# Altium PCB 4th_main.PcbDoc (part 1 of 3) (continued)
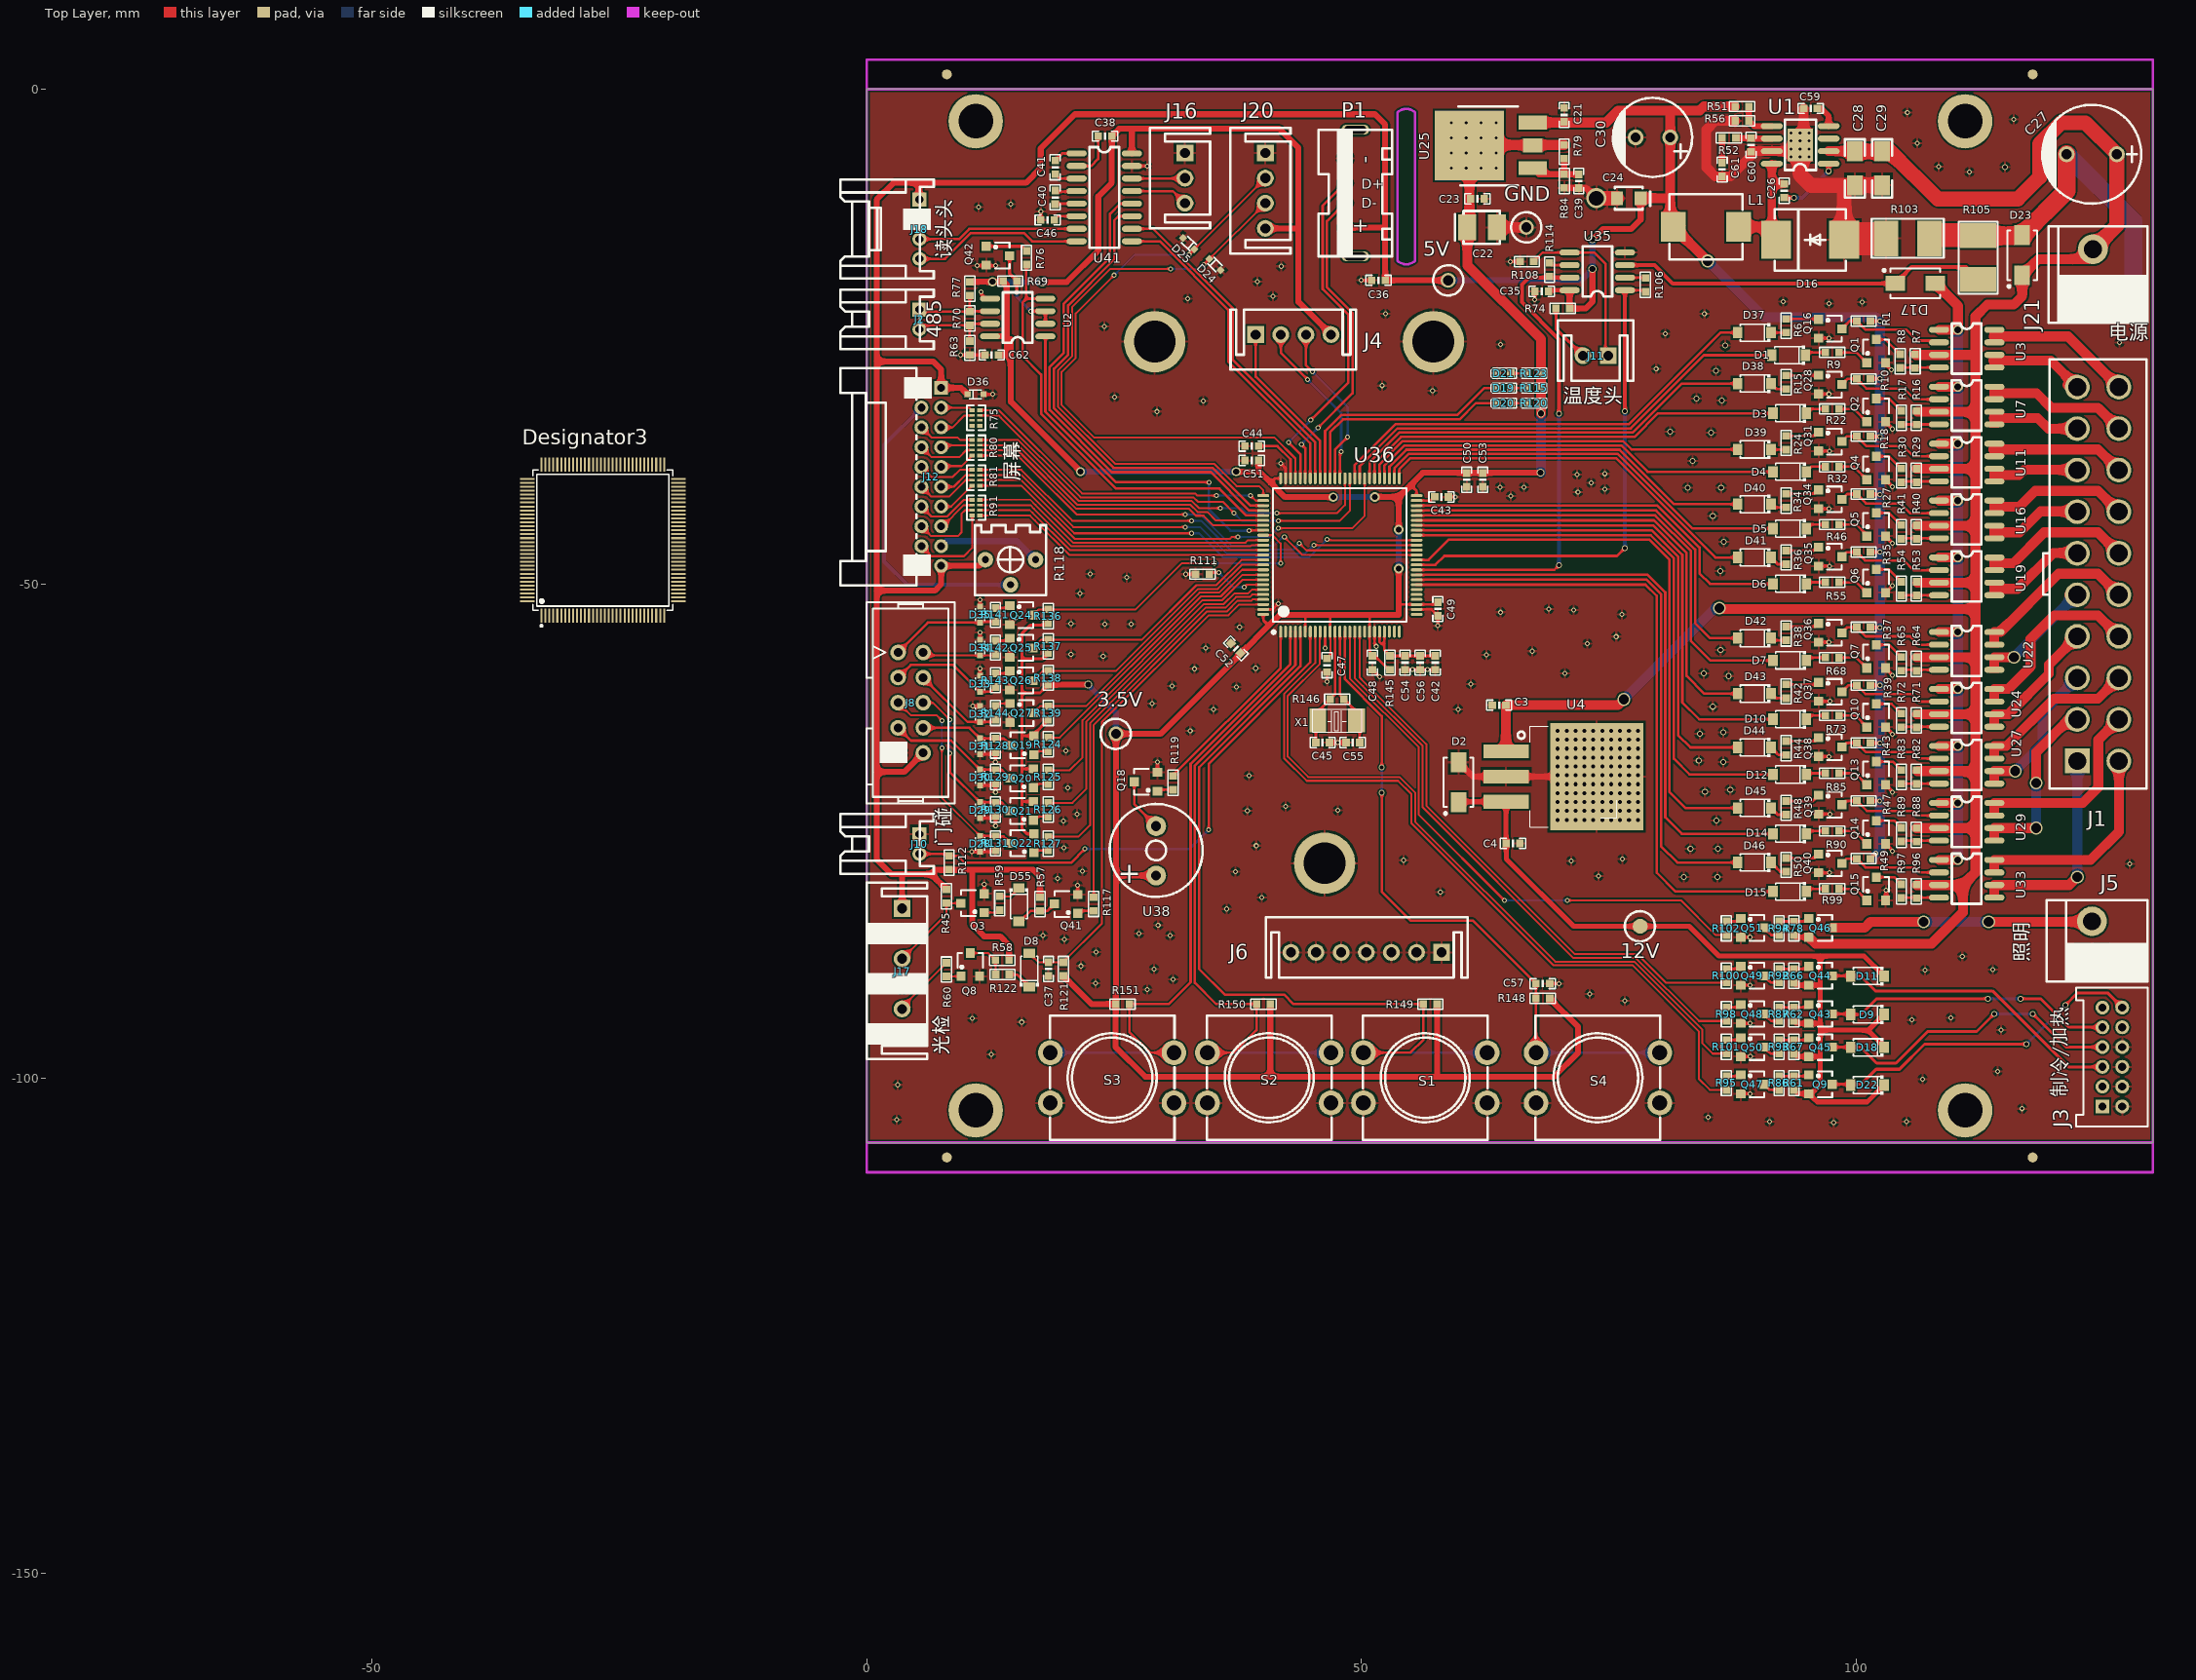
[diagram p0: Top Layer view]
## Components (designator, comment, footprint, x,y, rotation, side; value= is the part's Value field where it differs from the comment) (continued)
R48 "10KΩ/1%" 0603_R 92.922,-72.664 r90 top
R49 "10KΩ/1%" 0603_R 100.745,-77.794 r180 top
R50 "10KΩ/1%" 0603_R 92.922,-78.429 r90 top
R51 "10.2KΩ/1%" 0603_R 88.451,-1.747 r180 top
R52 "66.5KΩ/1%" 0603_R 87.131,-4.922 r0 top
R53 "10KΩ/1%" 0603_R 106.079,-50.489 r270 top
R54 "10KΩ/1%" 0603_R 104.555,-50.489 r90 top
R55 "10KΩ/1%" 0603_R 97.57,-49.854 r0 top
R56 "1.96KΩ/1%" 0603_R 88.451,-3.195 r0 top
R57 "470Ω/1%" 0603_R 17.489,-82.398 r90 top
R58 "10K" 0603_R 13.679,-88.062 r0 top
R59 "1K" 0603_R 13.425,-82.296 r270 top
R60 "1K" 0603_R 8.044,-89.002 r270 top
R61 "2.2K" 0603_R 93.701,-100.482 r270 top
R62 "2.2K" 0603_R 93.701,-93.523 r270 top
R63 "3.3KΩ" 0603_R 10.397,-26.162 r270 top
R64 "10KΩ/1%" 0603_R 106.079,-58.109 r270 top
R65 "10KΩ/1%" 0603_R 104.555,-58.109 r90 top
R66 "2.2K" 0603_R 93.701,-89.637 r270 top
R67 "2.2K" 0603_R 93.701,-96.825 r270 top
R68 "10KΩ/1%" 0603_R 97.57,-57.474 r0 top
R69 "1KΩ/1%" 0603_R 14.487,-19.4 r180 top
R70 "[NC]" 0603_R 10.397,-23.184 r270 top
R71 "10KΩ/1%" 0603_R 106.079,-63.824 r270 top
R72 "10KΩ/1%" 0603_R 104.555,-63.824 r90 top
R73 "10KΩ/1%" 0603_R 97.57,-63.316 r0 top
R74 "10KΩ/1%" 0603_R 70.333,-22.174 r0 top
R75 "1KΩ x 4" 0402_Rx4 11.032,-33.243 r270 top
R76 "1KΩ/1%" 0603_R 16.129,-17.043 r90 top
R77 "3.3KΩ" 0603_R 10.397,-20.162 r270 top
R78 "4.7K" 0603_R 93.701,-84.836 r270 top
R79 "100Ω/1%" 0603_R 70.479,-6.341 r90 top
R80 "1KΩ x 4" 0402_Rx4 11.032,-36.248 r270 top
R81 "1KΩ x 4" 0402_Rx4 11.032,-39.28 r270 top
R82 "10KΩ/1%" 0603_R 106.079,-69.539 r270 top
R83 "10KΩ/1%" 0603_R 104.555,-69.539 r90 top
R84 "180Ω/1%" 0603_R 70.485,-9.296 r90 top
R85 "10KΩ/1%" 0603_R 97.57,-69.158 r0 top
R86 "2.2K" 0603_R 92.199,-100.482 r90 top
R87 "2.2K" 0603_R 92.199,-93.523 r90 top
R88 "10KΩ/1%" 0603_R 106.079,-75.381 r270 top
R89 "10KΩ/1%" 0603_R 104.555,-75.381 r90 top
R90 "10KΩ/1%" 0603_R 97.57,-75 r0 top
R91 "1KΩ x 4" 0402_Rx4 11.032,-42.311 r270 top
R92 "2.2K" 0603_R 92.202,-89.637 r90 top
R93 "2.2K" 0603_R 92.199,-96.825 r90 top
R94 "2.2K" 0603_R 92.199,-84.836 r90 top
R95 "1K" 0603_R 86.868,-100.482 r90 top
R96 "10KΩ/1%" 0603_R 106.079,-81.096 r270 top
R97 "10KΩ/1%" 0603_R 104.555,-81.096 r90 top
R98 "1K" 0603_R 86.868,-93.523 r90 top
R99 "10KΩ/1%" 0603_R 97.57,-80.842 r0 top
R100 "1K" 0603_R 86.868,-89.637 r90 top
R101 "1K" 0603_R 86.868,-96.825 r90 top
R102 "1K" 0603_R 86.868,-84.836 r90 top
R103 "0Ω" 1812_R 105.215,-15.082 r180 top
R105 "0.82Ω/1%" 1812_R 112.319,-17.018 r270 top
R106 "10KΩ/1%" 0603_R 78.689,-19.787 r270 top
R108 "10KΩ/1%" 0603_R 66.7,-17.424 r0 top
R111 "10KΩ/1%" 0603_R 33.918,-49.042 r180 top
R112 "10KΩ/1%" 0603_R 8.311,-78.202 r270 top
R114 "10KΩ/1%" 0603_R 69.003,-18.243 r270 top
R115 "470Ω/1%" 0603_R 67.444,-30.225 r180 top
R117 "10KΩ/1%" 0603_R 22.925,-82.372 r270 top
R118 "10KΩ[电位器]" 3362P 17.052,-47.568 r180 top
R119 "4.7KΩ/1%" 0603_R 30.937,-70.129 r270 top
R120 "470Ω/1%" 0603_R 67.444,-31.749 r180 top
R121 "4.7KΩ/1%" 0603_R 19.852,-88.951 r270 top
R122 "470Ω/1%" 0603_R 13.705,-89.51 r180 top
R123 "470Ω/1%" 0603_R 67.444,-28.727 r180 top
R124 "4.7KΩ/1%" 0603_R 18.322,-66.237 r270 top
R125 "4.7KΩ/1%" 0603_R 18.322,-69.539 r270 top
R126 "4.7KΩ/1%" 0603_R 18.322,-72.841 r270 top
R127 "4.7KΩ/1%" 0603_R 18.322,-76.27 r270 top
R128 "4.7KΩ/1%" 0603_R 12.988,-66.364 r90 top
R129 "4.7KΩ/1%" 0603_R 12.991,-69.539 r90 top
R130 "4.7KΩ/1%" 0603_R 12.991,-72.841 r90 top
R131 "4.7KΩ/1%" 0603_R 12.991,-76.251 r90 top
R136 "4.7KΩ/1%" 0603_R 18.322,-53.283 r270 top
R137 "4.7KΩ/1%" 0603_R 18.322,-56.331 r270 top
R138 "4.7KΩ/1%" 0603_R 18.322,-59.506 r270 top
R139 "4.7KΩ/1%" 0603_R 18.322,-63.062 r270 top
R141 "4.7KΩ/1%" 0603_R 12.988,-53.156 r90 top
R142 "4.7KΩ/1%" 0603_R 12.988,-56.458 r90 top
R143 "4.7KΩ/1%" 0603_R 12.988,-59.76 r90 top
R144 "4.7KΩ/1%" 0603_R 12.988,-63.062 r90 top
R145 "10Ω" 0603_R 52.866,-57.982 r270 top
R146 "1MΩ" 0603_R 47.532,-61.665 r180 top
R148 "10KΩ/1%" 0603_R 68.315,-91.923 r0 top
R149 "10KΩ/1%" 0603_R 56.947,-92.507 r180 top
R150 "10KΩ/1%" 0603_R 40.081,-92.507 r180 top
R151 "10KΩ/1%" 0603_R 25.832,-92.504 r0 top
S1 "SW-PB" SW-TH_4P-L12.0-W12.0-P5.00-LS12.5 56.439,-99.949 r0 top
S2 "SW-PB" SW-TH_4P-L12.0-W12.0-P5.00-LS12.5 40.665,-99.949 r0 top
S3 "SW-PB" SW-TH_4P-L12.0-W12.0-P5.00-LS12.5 24.79,-99.949 r0 top
S4 "SW-PB" SW-TH_4P-L12.0-W12.0-P5.00-LS12.5 73.889,-99.949 r0 top
U1 "TPS54531" SO-8-POWERPAD（1.27/3.8*5） 97.214,-7.538 r180 top
U2 "ST3485ECDR" SO-8（1.27/3.8*5） 18.043,-24.988 r180 top
U3 "NCE603S" SO-8（1.27/3.8*5） 108.365,-24.327 r0 top
U4 "7812" TO-263-3 70.383,-66.7 r270 top
U7 "NCE603S" SO-8（1.27/3.8*5） 108.365,-30.085 r0 top
U11 "NCE603S" SO-8（1.27/3.8*5） 108.365,-35.842 r0 top
U16 "NCE603S" SO-8（1.27/3.8*5） 108.365,-41.599 r0 top
U19 "NCE603S" SO-8（1.27/3.8*5） 108.365,-47.357 r0 top
U22 "NCE603S" SO-8（1.27/3.8*5） 108.365,-54.892 r0 top
U24 "NCE603S" SO-8（1.27/3.8*5） 108.365,-60.649 r0 top
U25 "AMS1084-ADJ" TO-252 67.304,-7.992 r90 top
U27 "NCE603S" SO-8（1.27/3.8*5） 108.365,-66.407 r0 top
U29 "NCE603S" SO-8（1.27/3.8*5） 108.365,-72.164 r0 top
U33 "NCE603S" SO-8（1.27/3.8*5） 108.365,-77.921 r0 top
U35 "NCV2904" SO-8（1.27/3.8*5） 76.623,-20.326 r180 top
U36 "STM32F407VGT" LQFP-100A 47.811,-47.096 r90 top
U38 "BUZZER 9055/3V" BUZZ-9055/5.0mm 29.235,-79.502 r180 top
U41 "ST3232CDR" SO-16（1.27/3.8*10） 21.192,-6.497 r0 top
X1 "8MHZ / 20PF / ±10PPM" SMD-5032_2P 47.532,-63.824 r180 top

## Footprints (in the part's own frame and the unit in brackets; to place one, negate y for a bottom-side part, rotate by r counter-clockwise, add the part's x,y. Pads: shape width x height; smd on the part's side, far side on the other; paste and mask are expansions set on the pad)
0402_Rx4 [mm]
  rect 0.4x0.55 smd: 1(-0.8,-0.4) 4(0.8,-0.4) 5(0.8,0.4) 8(-0.8,0.4)
  rect 0.25x0.55 smd: 2(-0.25,-0.4) 3(0.25,-0.4) 6(0.25,0.4) 7(-0.25,0.4)
  silkscreen extent -1.25,-0.92 1.25,0.92
0603_C [mil] "电容"
  rect 30x30 smd: 1(-27,0) 2(27.5,-0.06)
  silkscreen extent -50,-20 50,20
0603_D [mil] "贴片发光二极管"
  rect 30x30 smd: 1(-27,0) 2(27.5,-0.06)
  silkscreen extent -50,-20 52,20
0603_R [mil] "电阻"
  rect 30x30 smd: 1(-27,0) 2(27.5,-0.06)
  silkscreen extent -50,-20 50,20
1206_C [mm] "电容"
  rect 2x1.6 smd: 1(3.432,0.001) 2(0.003,0.001)
  silkscreen extent -1.22,-1.02 4.65,1.02
1812_R [mm]
  rect 2.5x3.6 smd: 1(-2.2,0) 2(2.2,0)
  silkscreen extent -3.63,-1.98 3.66,1.98, body extent -2.54,-1.65 2.67,1.65, height 1.2
3362P [mil] "电位器"
  round 62 hole 28: 1(0,0) 2(100,100) 3(200,0)
  silkscreen extent -41,-137 241,141
5557-2*10A [mm] "直针-引脚间距4.2mm"
  rect 2.5x2.5 hole 1.8: 1(-35.89,2.007)
  round 2.5 hole 1.8: 2(-31.69,2.007) 3(-27.49,2.007) 4(-23.29,2.007) 5(-19.09,2.007) 6(-14.89,2.007) 7(-10.69,2.007) 8(-6.49,2.007) 9(-2.29,2.007) 10(1.91,2.007) 11(-35.89,-2.193) 12(-31.69,-2.193) 13(-27.49,-2.193) 14(-23.29,-2.193) 15(-19.09,-2.193) 16(-14.89,-2.193) 17(-10.69,-2.193) 18(-6.49,-2.193) 19(-2.29,-2.193) 20(1.91,-2.193)
  silkscreen extent -38.69,-4.99 4.71,5.45
BUZZ-9055/5.0mm [mm] "有源蜂鸣器"
  round 2 hole 1: 1(0,0) 2(0,-5)
  silkscreen extent -4.7,-7.24 4.7,2.16
CAP-TH_BD8.0-P3.50-D1.0-FD [mm]
  round 1.6 hole 1: 1(-1.75,0) 2(1.75,0)
  silkscreen extent -3.96,-4 4.04,4
CAP-TH_BD10.0-P5.00-D1.0-FD [mm]
  round 1.6 hole 1: 1(-2.54,0) 2(2.54,0)
  silkscreen extent -5,-5 5.08,5
CASE-A_3216 [mm]
  rect 1.2x1.4 smd: 1(0,0) 2(2.4,0)
  silkscreen extent -0.96,-1.14 2.6,1.14
CASE-B_3528 [mm]
  rect 1.8x2.6 smd: 1(0,0) 2(-3.002,0)
  silkscreen extent -3.3,-1.65 1.23,1.65
CH3.96-2A [mm] "直针-引脚间距3.96mm"
  rect 3x3 hole 1.8: 1(0,0)
  round 3 hole 1.8: 2(3.96,0)
  silkscreen extent -2.14,-5.6 6.1,4.6
CH5.08-2A [mm] "直针-间距5.08"
  rect 3x3 hole 1.8: 1(-3.937,3.556)
  round 3 hole 1.8: 2(1.143,3.556)
  silkscreen extent -6.3,-1.94 3.46,8.06
IDE-2*5A [mil] "直针-引脚间距2.54mm"
  round 62 hole 35: 1(-450,-50) 2(-450,50) 3(-350,-50) 4(-350,50) 5(-250,-50) 6(-250,50) 7(-150,-50) 8(-150,50) 9(-50,-50) 10(-50,50)
  silkscreen extent -650,-175 151,175
IND-SMD_0630 [mm]
  rect 2.5x3 smd: 1(-3.302,0) 2(3.302,0)
  silkscreen extent -3.7,-3.3 3.7,3.3
LQFP-100A [mm]
  oval 1.2x0.3 smd: 1(-7.75,6) 2(-7.75,5.5) 3(-7.75,5) 4(-7.75,4.5) 5(-7.75,4) 6(-7.75,3.5) 7(-7.75,3) 8(-7.75,2.5) 9(-7.75,2) 10(-7.75,1.5) 11(-7.75,1) 12(-7.75,0.5) 13(-7.75,0) 14(-7.75,-0.5) 15(-7.75,-1) 16(-7.75,-1.5) 17(-7.75,-2) 18(-7.75,-2.5) 19(-7.75,-3) 20(-7.75,-3.5) 21(-7.75,-4) 22(-7.75,-4.5) 23(-7.75,-5) 24(-7.75,-5.5) 25(-7.75,-6) 51(7.75,-6) 52(7.75,-5.5) 53(7.75,-5) 54(7.75,-4.5) 55(7.75,-4) 56(7.75,-3.5) 57(7.75,-3) 58(7.75,-2.5) 59(7.75,-2) 60(7.75,-1.5) 61(7.75,-1) 62(7.75,-0.5) 63(7.75,0) 64(7.75,0.5) 65(7.75,1) 66(7.75,1.5) 67(7.75,2) 68(7.75,2.5) 69(7.75,3) 70(7.75,3.5) 71(7.75,4) 72(7.75,4.5) 73(7.75,5) 74(7.75,5.5) 75(7.75,6)
  oval 0.3x1.2 smd: 26(-6,-7.75) 27(-5.5,-7.75) 28(-5,-7.75) 29(-4.5,-7.75) 30(-4,-7.75) 31(-3.5,-7.75) 32(-3,-7.75) 33(-2.5,-7.75) 34(-2,-7.75) 35(-1.5,-7.75) 36(-1,-7.75) 37(-0.5,-7.75) 38(0,-7.75) 39(0.5,-7.75) 40(1,-7.75) 41(1.5,-7.75) 42(2,-7.75) 43(2.5,-7.75) 44(3,-7.75) 45(3.5,-7.75) 46(4,-7.75) 47(4.5,-7.75) 48(5,-7.75) 49(5.5,-7.75) 50(6,-7.75) 76(6,7.75) 77(5.5,7.75) 78(5,7.75) 79(4.5,7.75) 80(4,7.75) 81(3.5,7.75) 82(3,7.75) 83(2.5,7.75) 84(2,7.75) 85(1.5,7.75) 86(1,7.75) 87(0.5,7.75) 88(0,7.75) 89(-0.5,7.75) 90(-1,7.75) 91(-1.5,7.75) 92(-2,7.75) 93(-2.5,7.75) 94(-3,7.75) 95(-3.5,7.75) 96(-4,7.75) 97(-4.5,7.75) 98(-5,7.75) 99(-5.5,7.75) 100(-6,7.75)
  silkscreen extent -7.95,-6.75 6.75,6.85
LQFP-128_L14.0-W14.0-P0.40-LS16.0-BL [mm]
  rect 0.2x1.46 smd paste+0 mask+0.051: 1(-6.2,-7.63) 2(-5.8,-7.63) 3(-5.4,-7.63) 4(-5,-7.63) 5(-4.6,-7.63) 6(-4.2,-7.63) 7(-3.8,-7.63) 8(-3.4,-7.63) 9(-3,-7.63) 10(-2.6,-7.63) 11(-2.2,-7.63) 12(-1.8,-7.63) 13(-1.4,-7.63) 14(-1,-7.63) 15(-0.6,-7.63) 16(-0.2,-7.63) 17(0.2,-7.63) 18(0.6,-7.63) 19(1,-7.63) 20(1.4,-7.63) 21(1.8,-7.63) 22(2.2,-7.63) 23(2.6,-7.63) 24(3,-7.63) 25(3.4,-7.63) 26(3.8,-7.63) 27(4.2,-7.63) 28(4.6,-7.63) 29(5,-7.63) 30(5.4,-7.63) 31(5.8,-7.63) 32(6.2,-7.63) 65(6.2,7.63) 66(5.8,7.63) 67(5.4,7.63) 68(5,7.63) 69(4.6,7.63) 70(4.2,7.63) 71(3.8,7.63) 72(3.4,7.63) 73(3,7.63) 74(2.6,7.63) 75(2.2,7.63) 76(1.8,7.63) 77(1.4,7.63) 78(1,7.63) 79(0.6,7.63) 80(0.2,7.63) 81(-0.2,7.63) 82(-0.6,7.63) 83(-1,7.63) 84(-1.4,7.63) 85(-1.8,7.63) 86(-2.2,7.63) 87(-2.6,7.63) 88(-3,7.63) 89(-3.4,7.63) 90(-3.8,7.63) 91(-4.2,7.63) 92(-4.6,7.63) 93(-5,7.63) 94(-5.4,7.63) 95(-5.8,7.63) 96(-6.2,7.63)
  rect 1.46x0.2 smd paste+0 mask+0.051: 33(7.63,-6.2) 34(7.63,-5.8) 35(7.63,-5.4) 36(7.63,-5) 37(7.63,-4.6) 38(7.63,-4.2) 39(7.63,-3.8) 40(7.63,-3.4) 41(7.63,-3) 42(7.63,-2.6) 43(7.63,-2.2) 44(7.63,-1.8) 45(7.63,-1.4) 46(7.63,-1) 47(7.63,-0.6) 48(7.63,-0.2) 49(7.63,0.2) 50(7.63,0.6) 51(7.63,1) 52(7.63,1.4) 53(7.63,1.8) 54(7.63,2.2) 55(7.63,2.6) 56(7.63,3) 57(7.63,3.4) 58(7.63,3.8) 59(7.63,4.2) 60(7.63,4.6) 61(7.63,5) 62(7.63,5.4) 63(7.63,5.8) 64(7.63,6.2) 97(-7.63,6.2) 98(-7.63,5.8) 99(-7.63,5.4) 100(-7.63,5) 101(-7.63,4.6) 102(-7.63,4.2) 103(-7.63,3.8) 104(-7.63,3.4) 105(-7.63,3) 106(-7.63,2.6) 107(-7.63,2.2) 108(-7.63,1.8) 109(-7.63,1.4) 110(-7.63,1) 111(-7.63,0.6) 112(-7.63,0.2) 113(-7.63,-0.2) 114(-7.63,-0.6) 115(-7.63,-1) 116(-7.63,-1.4) 117(-7.63,-1.8) 118(-7.63,-2.2) 119(-7.63,-2.6) 120(-7.63,-3) 121(-7.63,-3.4) 122(-7.63,-3.8) 123(-7.63,-4.2) 124(-7.63,-4.6) 125(-7.63,-5) 126(-7.63,-5.4) 127(-7.63,-5.8) 128(-7.63,-6.2)
  silkscreen extent -7.08,-8.76 7.08,7.08
PHB-2*6A [mm] "直针-引脚间距2.0mm"
  rect 1.4x1.4 hole 0.8: 1(0,0)
  round 1.4 hole 0.8: 2(2,0) 3(4,0) 4(6,0) 5(8,0) 6(10,0) 7(0,-2) 8(2,-2) 9(4,-2) 10(6,-2) 11(8,-2) 12(10,-2)
  silkscreen extent -2.03,-4.57 11.99,2.67
PHB-2*10AW [mm]
  rect 1.4x1.4 hole 0.8: 1(0,0)
  round 1.4 hole 0.8: 2(-2,0) 3(-4,0) 4(-6,0) 5(-8,0) 6(-10,0) 7(-12,0) 8(-14,0) 9(-16,0) 10(-18,0) 11(0,2) 12(-2,2) 13(-4,2) 14(-6,2) 15(-8,2) 16(-10,2) 17(-12,2) 18(-14,2) 19(-16,2) 20(-18,2)
  silkscreen extent -19.98,2.5 1.97,10.2
PHS-2AW [mm] "弯针-引脚间距2.0mm"
  rect 1.4x1.4 hole 0.8: 1(-2,0)
  round 1.4 hole 0.8: 2(0,0)
  silkscreen extent -4.03,-8 2,1.45
PHS-4AW [mm] "弯针-引脚间距2.0mm"
  rect 1.4x1.4 hole 0.8: 1(-4,0)
  round 1.4 hole 0.8: 2(-2,0) 3(0,0) 4(2,0)
  silkscreen extent -6.03,-8 4,1.45
SMA/DO214AC#1 [mm] "二极管"
  rect 2x1.55 smd: 1(-1.725,1.1) 2(2.325,1.1)
  silkscreen extent -2.2,-0.4 3.57,2.6, body extent -2.2,-0.4 2.8,2.6, height 2.69
SMA/DO214AC#2 [mm] "二极管"
  rect 2x1.55 smd: 1(2.025,0) 2(-2.025,0)
  silkscreen extent -3.27,-1.5 2.5,1.5, body extent -2.5,-1.5 2.5,1.5, height 2.69
SMC/DO214AB [mm]
  rect 3.03x3.82 smd: 1(-3.435,0) 2(3.435,0)
  silkscreen extent -3.6,-3.11 3.6,3.11
SMD-5032_2P [mm]
  rect 1.7x2.4 smd: 1(-1.96,0.001) 2(1.96,-0.001)
  silkscreen extent -2.51,-1.14 2.49,1.16
SO-8-POWERPAD（1.27/3.8*5） [mm]
  oval 2.2x0.61 smd: 1(0.003,0.001) 2(0.003,-1.269) 3(0.003,-2.539) 4(0.003,-3.809) 5(5.75,-3.809) 6(5.75,-2.539) 7(5.75,-1.269) 8(5.75,0.001)
  rect 2.6x3.3 smd: 9(2.87,-1.905)
  silkscreen extent 1.27,-4.44 4.45,0.64
SO-8（1.27/3.8*5） [mil]
  oval 80x24 smd: 1(0.11,0.06) 2(0.11,-49.94) 3(0.11,-99.94) 4(0.11,-149.94) 5(220.11,-149.94) 6(220.11,-99.94) 7(220.11,-49.94) 8(220.11,0.06)
  silkscreen extent 51,-175 169,25
SO-16（1.27/3.8*10） [mil]
  oval 80x24 smd: 1(0.11,0.06) 2(0.11,-49.94) 3(0.11,-99.94) 4(0.11,-149.94) 5(0.11,-199.94) 6(0.11,-249.94) 7(0.11,-299.94) 8(0.11,-349.94) 9(220.11,-349.94) 10(220.11,-299.94) 11(220.11,-249.94) 12(220.11,-199.94) 13(220.11,-149.94) 14(220.11,-99.94) 15(220.11,-49.94) 16(220.11,0.06)
  silkscreen extent 51,-375 169,25
SOD-123_L2.8-W1.8-LS3.7-RD [mm]
  rect 0.95x1.15 smd: 1(1.693,0) 2(-1.693,0)
  silkscreen extent -1.63,-0.94 1.41,0.94
SOD-523 [mm]
  rect 0.6x0.6 smd: 1(-0.8,0) 2(0.8,0)
  silkscreen extent -0.65,-0.45 0.65,0.45
SOT-23-3 [mm]
  rect 0.9x0.95 smd: 1(-0.95,-1.175) 2(0.95,-1.175) 3(0,1.175)
  silkscreen extent -1.3,-0.35 1.3,1.18
SW-TH_4P-L12.0-W12.0-P5.00-LS12.5 [mm]
  round 2.5 hole 1.5: 1(-6.25,2.54) 1(6.25,2.54) 2(-6.25,-2.54) 2(6.25,-2.54)
  silkscreen extent -6.3,-6.3 6.3,6.3
TO-252 [mm]
  rect 1.4x2.85 smd: 1(0,0) 3(4.623,0)
  rect 1.4x2 smd: 2(2.311,0)
  rect 7x7 smd: 4(2.3,6.4)
  silkscreen extent -1.72,1.52 6.26,7.51
TO-263-3 [mm]
  rect 1.39x4.6 smd: 1(0.26,-5.78) 2(2.8,-5.78) 3(5.34,-5.78)
  rect 10.8x9.4 smd: 4(2.8,3.38)
  silkscreen extent -2.3,-4.61 7.9,5.42
USB-180度-10mm超短 [mm]
  oval 2.8x1 hole 0.8 slot 2.2 at 0 deg: 0(3.734,4.3) 0(3.734,-8.5)
  round 1.4 hole 0.92: 1(4.764,1.4) 2(4.764,-1.1) 3(4.764,-3.1) 4(4.764,-5.6)
  silkscreen extent 0,-8.5 7.44,4.3
XHB-2A [mm] "直针-引脚间距2.54mm"
  rect 1.7x1.7 hole 1: 1(-0.2,0)
  round 1.7 hole 1: 2(2.34,0)
  silkscreen extent -2.74,-3.56 4.88,2.54
XHB-3A [mm] "直针-引脚间距2.54mm"
  rect 1.7x1.7 hole 1: 1(0,0)
  round 1.7 hole 1: 2(2.54,0) 3(5.08,0)
  silkscreen extent -2.54,-3.56 7.62,2.54
XHB-4A#1 [mm] "直针-引脚间距2.54mm"
  rect 1.7x1.7 hole 1: 1(0,0)
  round 1.7 hole 1: 2(2.54,0) 3(5.08,0) 4(7.62,0)
  silkscreen extent -2.54,-3.56 10.16,2.54
XHB-4A#2 [mm] "直针-引脚间距2.54mm"
  rect 1.7x1.7 hole 1: 1(-2.007,0.406)
  round 1.7 hole 1: 2(0.533,0.406) 3(3.073,0.406) 4(5.613,0.406)
  silkscreen extent -4.55,-3.15 8.15,2.95
XHB-6A [mm] "直针-引脚间距2.54mm"
  rect 1.7x1.7 hole 1: 1(0,0)
  round 1.7 hole 1: 2(2.54,0) 3(5.08,0) 4(7.62,0) 5(10.16,0) 6(12.7,0)
  silkscreen extent -2.62,-3.56 15.24,2.54
XHB-7A [mm] "直针-引脚间距2.54mm"
  rect 1.7x1.7 hole 1: 1(-15.24,0)
  round 1.7 hole 1: 2(-12.7,0) 3(-10.16,0) 4(-7.62,0) 5(-5.08,0) 6(-2.54,0) 7(0,0)
  silkscreen extent -17.86,-3.56 2.54,2.54

## Part data
C3 C4 C21 C23 C26 C28 C29 C35 C36 C37 C38 C39 C40 C41 C42 C43 C44 C45 C46 C47 C48 C49 C50 C51 C52 C53 C54 C55 C56 C57 C59 C60 C61 C62: library part CAP, "无极性电容"
C22: library part "CAP POLAR", "极性电容"
C24: library part "CAP POLAR", "钽电容"
C27: library part "CAP POLAR", "电解电容"
C30: library part "CAP POLAR", "直插电解电容"
D1 D3 D4 D5 D6 D7 D8 D9 D10 D11 D12 D14 D15 D18 D22 D55: "高速开关二极管"
D2: library part Diodes, "稳压二极管"
D16: library part Diodes, "肖特基二极管/10A"
D17: "肖特基二极管"
D19 D20 D21: library part LED, "发光二极管"
D23: library part "Zener diode", "稳压二极管"
D24 D25 D28 D29 D30 D31 D32 D33 D34 D35 D36: library part TVS, "TVS 瞬态抑制二极管"
D37 D38 D39 D40 D41 D42 D43 D44 D45 D46: library part Diodes, "二极管"
J1 J12: "双排2*10P插座"
J2 J5 J10 J11 J21: "单排2P插座"
J3: "双排2*4P插座"
J4 J18 J20: "单排4P插座"
J6: "单排7P插座"
J8: "双排2*5P插座"
J16: library part SIP-3, "单排3P插座"
J17: "单排6P插座"
L1: library part INDUCTOR, "电感"
P1: "USB座"
Q1 Q2 Q3 Q4 Q5 Q6 Q7 Q8 Q10 Q13 Q14 Q15 Q16 Q28 Q31 Q34 Q35 Q36 Q37 Q38 Q39 Q40 Q41 Q47 Q48 Q49 Q50 Q51: "NPN三极管"
Q9 Q43 Q44 Q45 Q46: library part MOSFET_P, "P-Channel MOSFET"
Q18 Q24 Q25 Q26 Q27 Q42: library part S8050, "NPN"
Q19 Q20 Q21 Q22: "PNP"
R1 R6 R7 R8 R9 R10 R15 R16 R17 R18 R22 R24 R27 R29 R30 R32 R34 R35 R36 R37 R38 R39 R40 R41 R42 R43 R44 R45 R46 R47 R48 R49 R50 R51 R52 R53 R54 R55 R56 R57 R58 R59 R60 R61 R62 R63 R64 R65 R66 R67 R68 R69 R70 R71 R72 R73 R74 R76 R77 R78 R79 R82 R83 R84 R85 R86 R87 R88 R89 R90 R92 R93 R94 R95 R96 R97 R98 R99 R100 R101 R102 R103 R105 R106 R108 R111 R112 R114 R115 R117 R119 R120 R121 R122 R123 R124 R125 R126 R127 R128 R129 R130 R131 R136 R137 R138 R139 R141 R142 R143 R144 R145 R146 R148 R149 R150 R151: library part RES2, "电阻"
R75 R80 R81 R91: library part "Res Pack x4", "排阻"
R118: library part POT2, "可调电位器"
S1 S2 S3 S4: "轻触开关"
U1: "DC-DC/5A"
U2: library part MAX3485, "485总线收发器（3.3V）"
U3 U7 U11 U16 U19 U22 U24 U27 U29 U33: library part AO4611, "互补型mos"
U4: "线性稳压LDO"
U25: "LDO电压转换"
U35: library part "DUAL OPAMP", "双运放"
U36: library part STM32F407VXX, "STM32-100引脚"
U38: library part BUZZER, "有源蜂鸣器-9055/3V"
U41: library part ST3232, "RS232电平转换/3.3V"
X1: library part CRYSTAL_2P, "无源晶振2脚"

## Free pads (board coordinates)
  round 1.5 smd: 0(25.171,-65.176) 0(66.65,-13.97) 0(78.156,-84.633) 1(58.75,-19.329)
  round 5.5 hole 3.5: 1(11,-3.245) 2(11,-103.245) 3(111,-103.245) 4(111,-3.245)
  round 6.2 hole 4.22: 5(46.258,-78.253) 6(57.256,-25.523) 7(29.088,-25.523)
  round 1 smd mask+0.8: 9(8.077,-108.001) 9(8.077,1.499) 9(117.831,-108.001) 9(117.831,1.499)

## Via types
v1: diameter 0.5, hole 0.3, Top Layer to Bottom Layer, tented both sides, 259 vias
v2: diameter 0.6, hole 0.4, Top Layer to Bottom Layer, tented both sides, 152 vias
v3: diameter 1.3, hole 1, Top Layer to Bottom Layer, tented both sides, 13 vias
v4: diameter 1, hole 0.7, Top Layer to Bottom Layer, tented both sides, 10 vias
v5: diameter 0.8, hole 0.6, Top Layer to Bottom Layer, tented both sides, 5 vias
v6: diameter 0.9, hole 0.6, Top Layer to Bottom Layer, tented both sides, 5 vias
v7: diameter 1, hole 0.6, Top Layer to Bottom Layer, tented both sides, 3 vias
v8: diameter 2, hole 1.5, Top Layer to Bottom Layer, tented both sides, 1 vias

## Nets (pads, with @x,y where several pads share a name; then routed paths per layer and width w, separated by ;. In a path a pad name is that pad's centre, name@x,y a point inside that pad or via, vN(x,y) a via of type N, cw(c..) or ccw(c..) an arc to the next point about the centre after c; other vN are vias at no path point)
3.5V: C22.1 C23.1 C38.1 C47.1 C48.1 C49.1 C50.1 C51.1 C52.1 C53.1 C62.2 J4.4 J20.4 pad.0@25.171,-65.176 Q19.2 Q20.2 Q21.2 Q22.2 R69.2 R77.1 R79.2 R115.1 R120.1 R121.2 R123.1 R136.2 R137.2 R138.2 R139.2 R145.2 R148.2 R149.1 R150.1 R151.1 U2.8 U25.2 U25.4 U36.6 U36.11 U36.19 U36.28 U36.50 U36.75 U36.100 U38.1 U41.16 | length 421.2
  Top Layer w0.2: C47.1@46.516,-57.551 46.839,-57.228 46.839,-54.874 U36.11@46.811,-54.846
  Top Layer w0.254: U36.100@40.061,-53.096 40.061,-53.676 40.616,-54.23 40.617,-54.229 ; 40.807,-39.802 41.262,-39.346 U36.75@41.811,-39.346 ; U36.6@44.311,-54.846 44.311,-53.238 ; U36.11@46.811,-54.846 46.811,-53.242 ; 50.811,-53.179 U36.19@50.811,-54.846 50.811,-57.02 C48.1@51.088,-57.297 51.342,-57.297 52.726,-58.681 R145.2@52.864,-58.681 ; 53.755,-52.013 53.838,-52.096 U36.28@55.561,-52.096 57.48,-52.096 C49.1@57.709,-51.867 ; 54.961,-40.012 55.561,-40.612 U36.50@55.561,-41.096
  Top Layer w0.3: 15.696,-65.389 Q19.2@16.866,-65.389 16.866,-65.216 R139.2@18.32,-63.761 ; 15.716,-72.018 Q21.2@16.83,-72.018 ; 15.716,-68.716 Q20.2@16.83,-68.716 ; Q22.2@16.866,-75.295 16.204,-75.295 15.655,-74.746 15.655,-61.03 ; R138.2@18.32,-60.205 17.495,-61.03 15.655,-61.03 ; R137.2@18.32,-57.03 17.749,-57.601 15.655,-57.601 ; R136.2@18.32,-53.982 18.13,-54.172 16.544,-54.172 15.655,-55.061 15.655,-57.601 ; 15.655,-61.03 15.655,-57.601
  Top Layer w0.6: R77.1@10.397,-19.476 v6(12.689,-19.476) 13.71,-19.476 R69.2@13.788,-19.398 14.131,-19.741 14.131,-26.873 ; U2.8@12.452,-24.989 14.101,-24.989 ; C62.2@13.311,-26.875 14.129,-26.875 14.131,-26.873 ; 14.543,-27.285 14.131,-26.873 ; 14.543,-25.253 14.543,-31.598 v6@21.598,-38.652 ; v6(17.743,-19.507) 20.194,-19.507 23.382,-16.319 23.382,-10.846 24.754,-9.474 C38.1@24.754,-4.75 25.495,-4.009 26.726,-4.009 ; R138.2@18.32,-60.205 v5(22.371,-60.205) ; R121.2@19.85,-89.649 22.704,-92.504 R151.1@25.07,-92.504 ; U41.16@26.783,-6.495 26.783,-4.066 26.726,-4.009 ; U38.1@29.235,-79.502 25.171,-79.502 ; v6(37.321,-38.678) 39.683,-38.678 ; C51.1@39.587,-37.541 39.587,-38.583 39.683,-38.678 ; J20.4@39.765,-14.072 J20.4@40.273,-14.072 43.566,-14.072 43.617,-14.021 ; 40.616,-54.23 37.797,-57.05 29.67,-65.176 v3(25.171,-65.176) 25.171,-79.502 ; 40.617,-54.229 41.69,-53.156 53.755,-53.156 53.755,-52.013 v7(53.755,-48.457) ; R150.1@40.767,-92.507 40.767,-99.847 ; J4.4@46.916,-24.812 43.617,-21.513 43.617,-5.934 41.691,-4.009 26.726,-4.009 ; v6(47.131,-41.25) 42.254,-41.25 40.807,-39.802 39.683,-38.678 ; v7(51.342,-41.218) 53.755,-41.218 ; v7(53.755,-44.52) 53.755,-41.218 ; 57.633,-99.771 R149.1@57.633,-92.507 ; U25.4@61.02,-5.513 U25.4@61.15,-5.643 ; v5(68.078,-38.78) 56.193,-38.78 54.961,-40.012 53.755,-41.218 ; R148.2@69.013,-91.924 71.882,-94.793 71.882,-97.409 69.444,-99.847 40.767,-99.847 ; R151.1@25.07,-92.504 25.171,-92.402 25.171,-79.502 ; R151.1@25.07,-92.504 R151.1@25.146,-92.504 25.146,-96.85 28.143,-99.847 40.767,-99.847
  Top Layer w1: C22.1@60.681,-13.97 60.681,-17.805 68.129,-25.254 R123.1@68.129,-28.727 R115.1@68.129,-30.225 R120.1@68.129,-31.749 v5(68.129,-32.785) ; C22.1@60.904,-13.97 U25.4@60.904,-5.692 ; U25.4@61.15,-5.643 R79.2@70.481,-5.643
  Bottom Layer w0.6: v6(12.689,-19.476) 12.72,-19.507 v6(17.743,-19.507) ; v6(21.571,-38.678) v6(37.321,-38.678) ; v5(22.371,-60.205) 25.171,-63.006 v3(25.171,-65.176) ; v6(47.131,-41.25) 51.311,-41.25 v7(51.342,-41.218) ; v7(53.755,-48.457) v7(53.755,-44.52)
  Bottom Layer w1: v5@68.129,-38.78 v5(68.129,-32.785)
  other v1: 59.049,-7.992 60.573,-7.992 62.097,-7.992 63.621,-7.992 59.049,-6.468 60.573,-6.468 62.097,-6.468 63.621,-6.468 59.049,-4.944 60.573,-4.944 62.097,-4.944 63.621,-4.944 59.049,-3.42 60.573,-3.42 62.097,-3.42 63.621,-3.42
4G_POWER: J4.1 U36.67 | length 17.2
  Top Layer w0.254: J4.1@39.296,-24.812 39.296,-29.074 45.811,-35.588 U36.67@45.811,-39.346
4G_RX: J4.3 U36.64 | length 16.8
  Top Layer w0.254: J4.3@44.376,-24.812 44.376,-27.908 v1(45.014,-28.545) ; U36.64@47.312,-39.346 47.312,-36.458 v1(48.595,-35.175)
  Bottom Layer w0.254: v1(45.014,-28.545) 48.595,-32.127 v1(48.595,-35.175)
4G_TX: J4.2 U36.63 | length 17.1
  Top Layer w0.254: J4.2@41.836,-24.812 41.836,-26.638 v1(44.557,-29.358) ; U36.63@47.811,-39.346 47.811,-36.771 v1(47.935,-36.648)
  Bottom Layer w0.254: v1(44.557,-29.358) 47.935,-32.736 v1(47.935,-36.648)